# KiCad board Pixy-68000.kicad_pcb (continued)
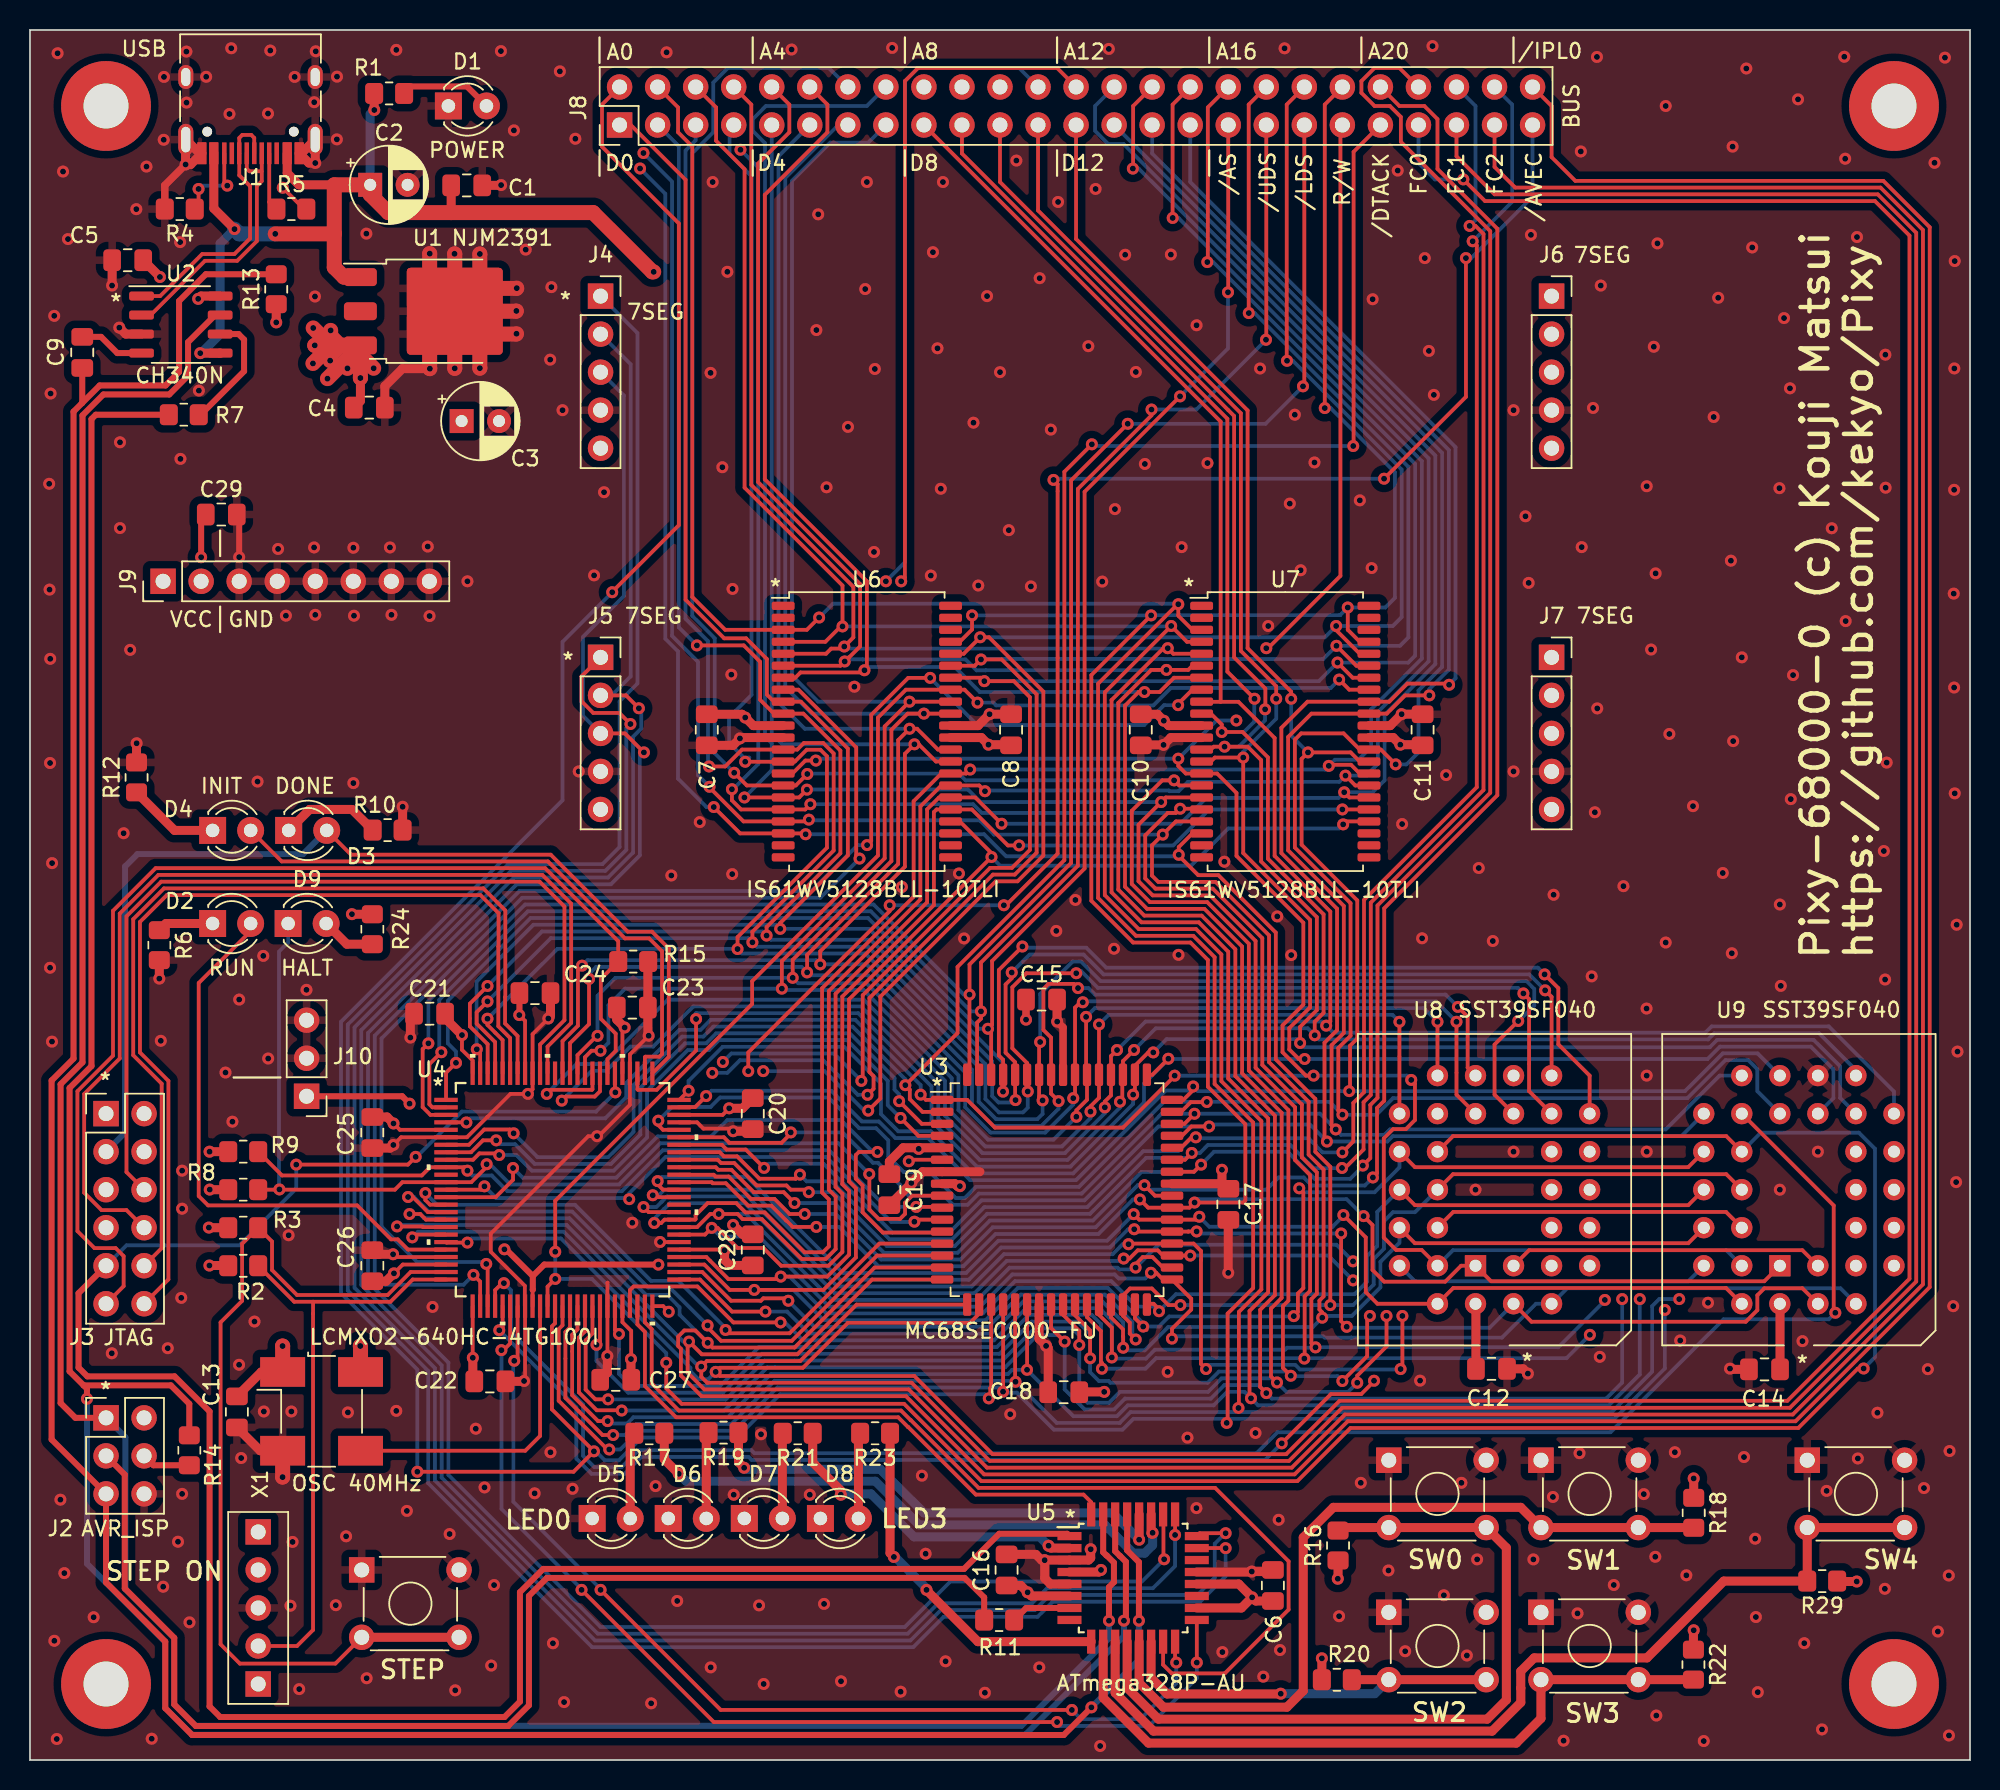
[diagram p0: board, top side]
## Routing (per net, layer and track width the routed paths; a pad name or vN(x,y) marks a point on that pad's centre or on a via; arc(x,y) is an arc through that point) (continued)
/A13: length 224.5
  Top w0.25: v1(87.75,64.65) 88.1,64.3 U7.28 ; U4.57 45.07,35.1 v1(45.52,35.55) 45.91,35.55 47.25,34.21 48.97,34.21 50.16,33.02 53.32,33.02 54.25,33.95 54.25,37.82 53.79,38.28 53.79,51.18 59.9,57.3 59.9,63.51 60.7,64.3 U6.28 63.12,64.3 v1(64.87,62.54) ; v1(76.25,28.16) 76.25,28.16 76.25,28.81 77.54,30.09 77.54,30.82 U3.33 75.65,32.1 75.2,32.55 v1(74.85,32.55)
  Bottom w0.25: v1(64.87,62.54) 76.82,62.54 78.54,64.27 87.37,64.27 v1(87.75,64.65) 89.65,64.65 90.45,65.44 90.45,69.82 93.84,73.21 93.84,87.14 73.02,107.95 72,107.95 71.12,108.83 71.12,110.49 J8.28 ; U9.4 120.88,31.52 102.64,31.52 U8.4 100.55,30.48 98.29,28.22 88.23,28.22 88.22,28.22 86.45,28.22 86.36,28.3 76.4,28.3 v1(76.25,28.16) ; v1(45.52,35.55) 46.1,34.97 48.67,34.97 53.36,30.29 63.44,30.29 65.59,32.44 72.43,32.44 72.7,32.17 74.47,32.17 v1(74.85,32.55)
/A14: length 211.8
  Top w0.25: U8.28 95.03,36.61 113.25,36.61 U9.28 ; J8.30 73.66,110.49 73.66,106.33 v1(73.64,106.31) ; v1(73.82,32.9) 73.82,33.12 74.3,33.6 74.95,33.6 75.65,32.9 U3.34 ; v1(63.77,64.72) 63.38,65.1 U6.29 60.85,65.1 59.45,63.7 59.45,57.48 53.34,51.37 53.34,38.09 53.8,37.64 53.8,34.13 53.13,33.47 51.53,33.47 48.87,36.13 47.59,36.13 47.25,36.48 v1(45.99,36.48) 45.42,36.48 44.55,35.6 U4.58 ; U7.29 88.5,65.1 v1(87.84,65.76)
  In1.Cu w0.25: v1(88.34,33.32) 89.08,34.06 92.48,34.06 U8.28
  Bottom w0.25: v1(88.34,33.32) 87.23,34.42 75.35,34.42 v1(73.82,32.9) 73.7,32.78 72.73,32.78 72.61,32.89 65.4,32.89 63.25,30.74 53.55,30.74 47.81,36.48 v1(45.99,36.48) ; v1(73.64,106.31) 74.03,106.31 93.39,86.95 93.39,73.39 90,70.01 90,66.55 89.21,65.76 v1(87.84,65.76) 87.42,65.34 77.32,65.34 76.69,64.72 76.09,64.72 76.04,64.77 63.82,64.77 v1(63.77,64.72)
/A15: length 211
  Top w0.25: U7.30 88.79,65.9 88.21,66.48 86.8,66.48 v1(86.72,66.41) ; v1(77.47,33.7) U3.35 75.65,33.7 75.3,34.05 73.97,34.05 73.42,33.5 v1(73.03,33.5) ; v1(41.69,35.88) 42.15,35.88 42.37,36.1 U4.59 44.41,36.1 44.44,36.14 44.44,36.4 45.25,37.2 47.16,37.2 47.78,36.58 49.06,36.58 51.72,33.92 52.95,33.92 53.34,34.31 53.34,37.46 52.89,37.91 52.89,51.56 59,57.67 59,64.05 60.85,65.9 U6.30 62.51,65.9 v1(62.78,66.17) ; J8.32 76.29,110.58 76.29,103.02 v1(76.3,103.01)
  In1.Cu w0.25: U8.29 89.32,33.02 v1(88.34,32.04)
  Bottom w0.25: U9.29 110.72,31.98 92.48,31.98 U8.29 ; v1(73.03,33.5) 72.87,33.34 65.22,33.34 63.06,31.19 53.73,31.19 47.72,37.2 42.73,37.2 42.36,36.83 42.35,36.83 41.69,36.17 v1(41.69,35.88) ; v1(62.78,66.17) 86.48,66.17 v1(86.72,66.41) 87.13,66.82 88.7,66.82 89.55,67.67 89.55,70.19 92.94,73.58 92.94,86.76 76.69,103.01 v1(76.3,103.01) ; v1(77.47,33.7) 86.69,33.7 v1(88.34,32.04)
/A16: length 237.1
  Top w0.25: U6.38 63.49,72.3 v1(63.72,72.07) 65.7,72.07 66.77,71 66.77,60.79 65.57,59.6 64.11,59.6 55.6,51.09 55.6,45.46 v1(55.51,45.37) ; J8.34 78.65,110.39 78.65,100.1 v1(78.61,100.06) ; v1(40.97,36.94) 41.31,36.6 U4.60 ; v1(91.52,26.12) 91.64,26.24 v1(91.64,29.67) ; U9.3 118.34,34.06 100.1,34.06 U8.3 ; v1(87.3,73.31) 88.32,72.3 U7.38 ; v1(78.53,26.12) 78.19,26.46 78.19,33.39 78.19,33.4 78.19,34 77.7,34.5 U3.36 73.39,34.5 v1(73.35,34.46)
  In1.Cu w0.25: U8.3 97.56,31.52 93.39,31.52 91.64,29.77 v1(91.64,29.67) ; v1(40.97,36.94) 40.74,37.17 40.74,37.77 40.15,38.35 40.15,43.88 42.9,46.63 46.26,46.63 v1(46.27,46.63)
  Bottom w0.25: v1(73.35,34.46) 72.96,34.46 72.29,33.79 65.03,33.79 62.88,31.64 53.92,31.64 47.9,37.65 42.55,37.65 42.18,37.28 42.16,37.28 41.82,36.94 v1(40.97,36.94) ; v1(63.72,72.07) 86.06,72.07 v1(87.3,73.31) 87.31,73.31 92.03,73.31 92.49,73.77 92.49,86.58 79,100.06 v1(78.61,100.06) ; v1(46.27,46.63) 46.83,47.19 53.69,47.19 v1(55.51,45.37) ; v1(78.53,26.12) 78.8,26.4 84.49,26.4 84.79,26.09 91.49,26.09 v1(91.52,26.12)
/A17: length 230.1
  Top w0.25: U7.39 88.57,73.1 v1(87.24,74.43) ; J8.36 81.38,110.58 81.38,96.66 v1(81.38,96.66) ; v1(77.9,35.31) 77.35,35.31 77.34,35.3 U3.37 73.89,35.3 v1(73.73,35.46) ; v1(87.92,28.94) 87.55,29.32 87.55,30.09 87.55,30.09 87.55,30.69 87.55,30.7 87.55,35.17 v1(87.55,35.18) 87.63,35.09 ; v1(55.93,44.44) 56.33,44.84 56.33,45.68 56.05,45.96 56.05,50.9 64.3,59.15 65.76,59.15 67.22,60.61 67.22,71.19 64.88,73.52 v1(63.5,73.52) 63.08,73.1 U6.39 ; v1(41.59,37.73) 41.83,37.73 41.96,37.6 U4.62 ; U8.2 100.26,29.28 114.57,29.28 115.34,30.05 115.34,31.05 115.81,31.52 118.34,31.52 U9.2
  In1.Cu w0.25: v1(45.56,45.9) 45.55,45.92 42.83,45.92 40.64,43.73 40.64,38.67 v1(41.59,37.73)
  Bottom w0.25: v1(77.9,35.31) 78.03,35.18 v1(87.55,35.18) ; v1(41.59,37.73) 41.99,37.73 42.36,38.1 48.09,38.1 54.11,32.09 62.69,32.09 64.84,34.24 72.11,34.24 73.32,35.46 v1(73.73,35.46) ; v1(55.93,44.44) 55.27,44.44 52.97,46.74 47.4,46.74 46.56,45.9 v1(45.56,45.9) ; v1(63.5,73.52) 63.54,73.56 75.66,73.56 75.67,73.55 86.35,73.55 v1(87.24,74.43) 87.24,74.43 91.48,74.43 92.04,74.99 92.04,86.39 81.77,96.66 v1(81.38,96.66) ; U8.2 97.46,28.88 87.98,28.88 v1(87.92,28.94)
/A18: length 220.3
  Top w0.25: v1(78.08,36.29) 77.88,36.1 U3.38 74.06,36.1 v1(73.7,36.47) ; U9.30 113.25,31.53 95.03,31.53 U8.30 89.97,30.48 89.19,31.26 89.19,34.91 v1(87.7,36.41) ; v1(83.93,93.47) 83.91,93.49 83.91,110.58 J8.38 ; U4.63 42.27,38.1 41.91,38.46 v1(41.91,38.67) ; U7.40 88.79,73.9 87.21,75.48 v1(87.21,75.75) ; v1(55.97,43.38) 56.78,44.19 56.78,50.99 64.49,58.7 65.94,58.7 67.66,60.42 67.66,71.37 64.04,75 v1(63.45,75) 62.35,73.9 U6.40
  In1.Cu w0.25: v1(41.91,38.67) 41.09,39.49 41.09,43.5 43.02,45.44 45,45.44 45.26,45.18 48.15,45.18 48.96,45.99 v1(48.96,46.02)
  Bottom w0.25: v1(48.96,46.02) 53.06,46.02 55.69,43.38 v1(55.97,43.38) ; v1(41.91,38.67) 42.18,38.95 47.88,38.95 54.29,32.54 62.5,32.54 64.66,34.69 71.92,34.69 v1(73.7,36.47) ; v1(87.7,36.41) 87.7,36.35 86.97,35.63 78.75,35.63 v1(78.08,36.29) ; v1(83.93,93.47) 84.32,93.47 91.59,86.2 91.59,76.35 90.99,75.75 v1(87.21,75.75) 86.46,75 63.45,75 v1(63.45,75)
/A19: length 205.6
  Top w0.25: v1(87.99,76.99) 87.99,75.5 88.79,74.7 U7.41 ; U9.1 115.8,31.98 97.56,31.98 U8.1 95.56,33.02 94.49,31.96 90.42,31.96 89.64,32.74 89.64,35.74 v1(89.05,36.33) ; v1(74.86,76.46) 70.87,72.47 70.87,57.4 73.66,54.61 77.49,54.61 78.65,53.45 78.65,44.98 81.15,42.48 81.15,37.37 81.02,37.24 v1(77.76,37.24) 77.42,36.9 U3.39 74.66,36.9 v1(74.11,37.45) ; U4.64 45.52,38.6 45.59,38.53 46.47,38.53 47.96,37.03 49.5,37.03 50.5,36.03 50.51,36.03 50.93,35.61 v1(52.5,35.61) ; v1(86.46,90.31) 86.46,110.58 J8.40 ; v1(62.9,76.46) 62.9,75.52 62.08,74.7 U6.41
  Bottom w0.25: v1(74.11,37.45) 73.65,37.45 71.34,35.14 64.47,35.14 62.32,32.99 56.65,32.99 54.02,35.61 v1(52.5,35.61) ; 62.92,76.48 v1(62.9,76.46) v1(74.86,76.46) 74.87,76.48 87.48,76.48 v1(87.99,76.99) 90.49,76.99 91.14,77.63 91.14,86.02 86.84,90.31 v1(86.46,90.31) ; v1(89.05,36.33) 87.91,37.47 77.99,37.47 v1(77.76,37.24)
/A20: length 134.3
  Top w0.25: U3.40 75.12,37.7 v1(74.41,38.4) ; v1(51.73,36.48) 50.72,36.48 49.71,37.48 48.15,37.48 46.65,38.98 45.77,38.98 45.65,39.1 U4.65 ; J8.42 91.44,110.49 93.1,110.49 93.98,109.61 93.98,106.29 97.98,102.29 97.98,64.45 90.43,56.9 90.43,44.04 89.94,43.56 89.94,39.19 v1(89.67,38.92)
  Bottom w0.25: v1(51.73,36.48) 53.8,36.48 56.84,33.44 62.13,33.44 64.28,35.59 71.16,35.59 73.97,38.4 v1(74.41,38.4) 74.72,38.1 82.55,38.1 83.37,38.92 85.05,38.92 85.59,38.38 89.13,38.38 v1(89.67,38.92)
/A21: length 138.9
  Top w0.25: v1(78.2,39.77) 77.72,39.3 U3.42 ; U4.66 45.79,39.6 45.96,39.43 46.84,39.43 48.34,37.93 50.33,37.93 v1(51.05,37.21) ; v1(89,39.71) 89.49,40.21 89.49,43.76 89.98,44.24 89.98,57.08 97.5,64.61 97.5,102.13 91.53,108.1 91.53,109.76 90.8,110.49 89.78,110.49 88.9,111.37 88.9,112.15 89.78,113.03 91.44,113.03 J8.44
  Bottom w0.25: v1(51.05,37.21) 53.7,37.21 57.03,33.89 61.94,33.89 64.1,36.04 70.97,36.04 74.22,39.29 77.71,39.29 v1(78.2,39.77) 79.06,40.63 83.97,40.63 85.78,38.83 88.15,38.83 89,39.67 v1(89,39.71)
/A22: length 129.1
  Top w0.25: U3.43 77.12,40.1 v1(77.57,40.55) ; v1(96.13,102.48) 96.52,102.48 97.05,101.94 97.05,64.8 89.53,57.27 89.53,44.42 89.04,43.94 89.04,40.78 87.81,39.55 v1(87.61,39.55) ; U4.67 45.93,40.1 46.15,39.88 47.02,39.88 48.52,38.38 50.51,38.38 50.79,38.1 51.83,38.1 v1(52,37.93)
  Bottom w0.25: J8.46 96.52,110.49 96.52,102.87 v1(96.13,102.48) ; v1(87.61,39.55) 87.6,39.54 85.7,39.54 84.16,41.08 78.65,41.08 78.12,40.55 v1(77.57,40.55) 77.25,40.23 74.52,40.23 70.79,36.49 63.91,36.49 61.76,34.34 57.21,34.34 53.61,37.93 v1(52,37.93)
/A23: length 128.6
  Top w0.25: v1(51.41,39.11) 51.14,38.83 48.71,38.83 47.21,40.33 46.33,40.33 46.06,40.6 U4.68 ; U3.44 76.86,40.9 77.56,41.6 v1(77.84,41.6) ; v1(96.33,101.45) 96.6,101.18 96.6,64.99 89.08,57.46 89.08,44.61 88.36,43.89 88.36,41.32 v1(87.63,40.59)
  Bottom w0.25: v1(87.63,40.59) 86.3,40.59 85.88,41.02 85.88,41.03 85.37,41.53 77.91,41.53 v1(77.84,41.6) 77.59,41.6 76.67,40.68 74.34,40.68 70.6,36.94 63.73,36.94 61.57,34.79 57.4,34.79 53.53,38.66 51.86,38.66 v1(51.41,39.11) ; J8.48 98.97,110.58 98.97,104.09 v1(96.33,101.45)
/CPUCLK: length 54.6
  Top w0.25: U3.6 58.78,40.1 v1(58.68,40) ; U4.34 33.56,31.41 33.57,31.41
  Top w0.4: v1(41.96,33.1) 41.95,33.1 34.34,33.1 33.57,32.33 ; v1(25.35,43.85) 24.85,44.34 J10.1 ; 33.57,32.33 31.79,34.12 v1(31.68,34.12) ; 33.57,32.33 33.57,31.42 33.57,31.41
  In1.Cu w0.4: v1(41.96,33.1) 51.77,33.1 v1(58.68,40)
  In2.Cu w0.4: v1(31.68,34.12) 31.68,35.77 25.35,42.1 v1(25.35,43.85)
/D0: length 169.6
  Top w0.25: v1(66.27,54.34) 66.26,54.34 64.69,52.77 64.69,47.07 64.98,46.78 U3.61 64.98,44.66 v1(64.97,44.65) ; J8.1 40.12,109.22 43.77,105.56 43.77,77.51 46.35,74.93 47.82,74.93 49.21,73.55 49.21,71.17 49.68,70.7 U6.9 51.48,70.7 54.61,67.57 54.61,60.43 50.09,55.91 50.09,55.53 v1(50.1,55.53) ; v1(101.13,52.48) 102.05,51.56 102.05,47.81 104.14,45.72 U8.13 ; v1(29.84,47.48) 30.06,47.25 U4.99
  Bottom w0.25: v1(66.27,54.34) 66.35,54.27 70.53,54.27 71.87,52.93 100.68,52.93 v1(101.13,52.48) ; v1(29.84,47.48) 29.82,47.49 29.82,52.01 33.62,55.8 49.82,55.8 v1(50.1,55.53) 56.03,55.53 64.97,46.59 v1(64.97,44.65)
/D1: length 165.9
  Top w0.25: v1(44.53,74.46) 47.66,74.46 48.76,73.36 48.76,70.82 49.68,69.9 U6.10 51.64,69.9 54.11,67.43 54.11,60.57 49.18,55.64 v1(49.18,55.08) ; v1(65.81,44.08) 65.78,44.11 U3.60 65.78,46.62 65.14,47.25 65.14,51.81 65.55,52.22 v1(65.55,52.61) ; v1(101.17,51.42) 101.6,50.98 U8.14 ; U4.98 30.56,47.82 29.37,49.01 29.37,50.53 30.55,51.7 v1(30.55,51.71)
  Bottom w0.25: J8.3 43.32,107.81 43.32,75.67 v1(44.53,74.46) ; v1(65.55,52.61) 66.75,53.81 70.35,53.81 71.68,52.48 100.11,52.48 101.17,51.42 v1(101.17,51.42) ; v1(65.81,44.08) 65.65,43.93 64.67,43.93 64.25,44.35 64.25,46.67 56.12,54.8 49.46,54.8 v1(49.18,55.08) 48.91,55.35 34.19,55.35 v1(30.55,51.71)
/D2: length 170.1
  Top w0.25: v1(45.34,66.37) 46.42,66.37 47.55,67.5 U6.13 51.24,67.5 51.68,67.94 52.96,67.94 53.66,67.24 53.66,60.76 48.24,55.33 v1(48.24,54.63) ; U8.15 100.1,44.68 100.1,50.83 v1(99.72,51.21) ; v1(30.55,50.68) 29.82,49.95 29.82,49.19 31.06,47.96 U4.97 ; v1(66.62,44.66) 66.62,45.73 U3.59 66.58,46.56 65.59,47.54 65.59,51.62 66.53,52.56 v1(69.86,52.56)
  Bottom w0.25: v1(66.62,44.66) 66.62,43.58 66.31,43.26 64.7,43.26 63.8,44.16 63.8,46.49 55.96,54.33 48.54,54.33 v1(48.24,54.63) 47.96,54.9 34.77,54.9 v1(30.55,50.68) ; v1(69.86,52.56) 70.02,52.72 70.17,52.72 71.31,51.58 99.35,51.58 v1(99.72,51.21) ; v1(45.34,66.37) 45.27,66.44 45.27,74.74 43.77,76.24 43.77,107.52 44.45,108.19 J8.5
/D3: length 168.1
  Top w0.25: v1(99.37,49.37) 99.36,49.37 97.79,47.79 97.79,44.45 U8.17 ; v1(67.61,44.06) 67.38,44.3 U3.58 67.38,47.9 v1(67.45,47.97) ; U4.96 31.56,48.09 30.55,49.11 v1(30.55,49.52) ; v1(47.76,66.69) 50.28,66.69 U6.14 51.07,66.7 51.86,67.49 52.78,67.49 53.21,67.05 53.21,60.94 47.25,54.97 v1(47.25,54.18)
  Bottom w0.25: v1(99.37,49.37) 99.4,49.37 100.44,50.41 100.44,51.51 99.92,52.03 71.49,52.03 70.18,53.34 69.62,53.34 67.45,51.17 v1(67.45,47.97) ; v1(47.76,66.69) 48.03,66.96 47.66,66.96 46.68,67.94 46.68,69.65 48.18,71.15 48.18,105.8 46.72,107.27 46.72,108.95 J8.7 ; v1(30.55,49.52) 35.22,54.19 47.23,54.19 v1(47.25,54.18) 47.54,53.88 55.77,53.88 63.35,46.3 63.35,43.98 64.51,42.81 67.27,42.81 67.61,43.16 v1(67.61,44.06)
/D4: length 158.7
  Top w0.25: v1(95.34,50.31) 95.99,49.66 95.99,46.25 U8.18 ; U4.88 35.56,48.03 36.59,49.05 36.59,52.79 v1(36.86,53.07) ; v1(69.98,51.57) 69.7,51.85 68,51.85 67.67,51.51 67.67,48.77 68.18,48.26 U3.57 68.18,44.52 v1(68.68,44.02) ; U6.31 60.5,66.7 59.34,67.85 v1(59.06,67.85) 58.42,67.22 58.42,59.68 52.77,54.03 v1(52.77,53.15)
  Bottom w0.25: v1(95.34,50.31) 94.52,51.13 71.12,51.13 70.69,51.57 v1(69.98,51.57) ; v1(59.06,67.85) 50.24,67.85 49.53,68.56 J8.9 ; v1(68.68,44.02) 68.68,43.51 67.54,42.36 64.32,42.36 62.9,43.79 62.9,46.12 55.86,53.15 v1(52.77,53.15) 52.49,53.43 37.23,53.43 v1(36.86,53.07)
/D5: length 157.4
  Top w0.25: v1(95.25,49.32) 95.25,44.45 U8.19 ; U4.87 36.06,47.89 37.33,49.16 v1(37.33,52.18) ; U6.32 60.62,67.5 59.23,68.89 v1(58.73,68.89) 57.97,68.13 57.97,59.86 51.89,53.78 v1(51.89,52.62) ; v1(69.66,44.21) 69.78,44.33 U3.55 69.78,50.26 70.14,50.62 v1(70.3,50.62)
  In1.Cu w0.25: 69.66,43.97 v1(69.66,44.21)
  Bottom w0.25: v1(69.66,44.21) 69.66,43.79 67.79,41.91 64.14,41.91 62.45,43.61 62.45,45.93 55.95,52.42 52.08,52.42 v1(51.89,52.62) 51.53,52.98 37.8,52.98 37.33,52.51 v1(37.33,52.18) ; v1(58.73,68.89) 51.73,68.89 49.98,70.65 49.98,107.13 J8.11 ; v1(70.3,50.62) 70.36,50.68 93.88,50.68 v1(95.25,49.32)
/D6: length 152.7
  Top w0.25: v1(70.52,49.64) 70.52,45.84 U3.54 70.58,44.11 69.87,43.4 v1(69.87,42.97) ; v1(37.9,48.38) 37.85,48.38 36.56,47.09 U4.86 ; U8.20 v1(93.98,49.32) ; U6.35 58.6,69.9 57.52,68.82 57.52,60.05 50.93,53.46 v1(50.93,52.25)
  Bottom w0.25: v1(69.87,42.97) 68.34,41.44 63.98,41.44 62,43.42 62,45.74 55.85,51.89 51.29,51.89 v1(50.93,52.25) 39.09,52.25 37.9,51.06 v1(37.9,48.38) ; v1(70.52,49.64) 71.11,50.23 93.06,50.23 v1(93.98,49.32) ; v1(59.69,69.9) 52.21,69.9 50.43,71.68 50.43,105.67 53.98,109.22 J8.13
/D7: length 152.7
  Top w0.25: v1(38.09,47.38) 37.49,47.38 37.06,46.95 U4.85 ; U8.21 v1(91.44,49.32) ; v1(50.2,51.53) 50.2,53.37 57.07,60.24 57.07,69.04 v1(58.73,70.7) U6.36 ; v1(70.81,43.32) 70.81,43.67 71.38,44.23 U3.53 v1(71.38,49.14)
  Bottom w0.25: J8.15 55.98,108.05 53.44,108.05 50.88,105.49 50.88,72.44 52.62,70.7 58.72,70.7 v1(58.73,70.7) ; v1(70.81,43.32) 70.81,42.89 68.91,40.99 63.79,40.99 61.55,43.23 61.55,45.56 55.66,51.44 50.29,51.44 v1(50.2,51.53) 39.73,51.53 38.62,50.42 38.62,47.91 v1(38.09,47.38) ; v1(91.44,49.32) 90.97,49.78 72.03,49.78 v1(71.38,49.14)
/D8: length 185.3
  Top w0.25: U7.9 78.24,70.69 79.5,70.69 ; v1(86.55,49.06) 86.82,49.33 86.82,56.68 83.11,60.4 83.11,68.27 80.69,70.69 79.5,70.69 ; U4.84 37.56,44.81 37.52,44.77 34.78,44.77 v1(34.51,44.5) ; 79.5,70.69 79.5,89.41 J8.17 ; v1(71.77,43.6) 71.77,43.99 72.18,44.4 U3.52 72.18,47.03 v1(72.58,47.43)
  Bottom w0.25: U9.13 124.46,44.66 120.11,49.01 112.28,49.01 111.87,48.59 87.02,48.59 v1(86.55,49.06) 86.28,49.33 74.49,49.33 v1(72.58,47.43) ; v1(34.51,44.5) 34.51,44.5 36.5,46.49 38.29,46.49 42.59,50.79 55.67,50.79 61.1,45.37 61.1,43.05 63.6,40.54 69.1,40.54 71.77,43.21 v1(71.77,43.6)
/D9: length 182.5
  Top w0.25: U4.83 38.06,44.67 37.71,44.32 35.78,44.32 v1(35.51,44.05) ; v1(73.72,47.43) 72.98,46.69 U3.51 72.94,45.73 72.94,44.13 v1(72.78,43.97) ; v1(85.79,48.41) 85.79,49.32 86.38,49.91 86.38,56.49 82.66,60.21 82.66,66.98 80.97,68.67 v1(79.58,68.67) 79.58,69.17 78.85,69.9 U7.10 ; J8.19 62.23,107.32 79.95,89.59 79.95,72.71 v1(81.76,70.89)
  Bottom w0.25: U9.14 121.92,46.09 119.45,48.56 112.47,48.56 112.05,48.14 86.06,48.14 v1(85.79,48.41) 85.32,48.88 75.17,48.88 v1(73.72,47.43) ; v1(72.78,43.97) 72.78,43.59 69.28,40.09 63.42,40.09 60.65,42.86 60.65,45.18 55.48,50.34 44.3,50.34 41.61,47.66 40.1,47.66 38.48,46.04 37.51,46.04 35.51,44.05 v1(35.51,44.05) ; v1(79.58,68.67) 81.05,68.67 81.75,69.36 81.75,70.88 v1(81.76,70.89)
/D10: length 176.2
  Top w0.25: U4.78 40.56,44.81 40.6,44.77 41.85,44.77 44.48,47.4 v1(44.48,49.5) ; v1(82.47,70.19) 82.49,70.21 82.49,71.57 80.4,73.66 80.4,89.78 64.77,105.41 J8.21 ; v1(75,47.27) 74.67,47.27 73.78,46.38 U3.50 73.78,44.57 v1(73.66,44.45) ; U7.13 78.85,67.5 79.04,67.69 v1(79.76,67.69) 81.31,67.69 82.21,66.79 82.21,60.02 85.93,56.31 85.93,50.09 84.81,48.98 v1(84.81,47.9)
  Bottom w0.25: v1(75,47.27) 75.89,48.16 84.55,48.16 v1(84.81,47.9) 85.09,47.61 112.16,47.61 112.65,48.11 119.1,48.11 120.87,46.34 120.87,44.23 U9.15 ; v1(82.47,70.19) 82.47,69.45 80.71,67.69 v1(79.76,67.69) ; v1(73.66,44.45) 73.66,43.83 69.47,39.64 63.23,39.64 60.2,42.67 60.2,45 55.3,49.89 44.48,49.89 44.48,49.89 v1(44.48,49.5)
/D11: length 169.9
  Top w0.25: U7.14 78.85,66.7 79.12,66.97 v1(81.01,66.97) 81.01,60.58 85.47,56.12 85.47,50.28 84.08,48.89 84.08,47.47 84.72,46.83 v1(85.11,46.83) ; U4.75 43.37,44.1 v1(43.98,44.71) ; v1(76.01,46.85) 74.94,45.78 U3.49 ; v1(83.21,70.89) 83.21,71.73 80.85,74.09 80.85,89.97 67.31,103.51 J8.23
  Bottom w0.25: v1(76.01,46.85) 76.01,46.81 74.38,45.18 74.38,43.92 69.66,39.19 62.96,39.19 60.15,42 57.98,42 56.83,43.15 56.83,45.19 54.37,47.64 46.25,47.64 43.98,45.37 v1(43.98,44.71) ; v1(76.01,46.85) 76.03,46.83 v1(85.11,46.83) 112.01,46.83 112.84,47.66 118.91,47.66 120.42,46.15 120.42,44.22 U9.17 ; v1(76.01,46.85) 76.13,46.97 ; v1(76.01,46.85) 76.07,46.79 ; v1(81.01,66.97) 81.01,67.36 83.21,69.56 v1(83.21,70.89)
/D12: length 160
  Top w0.25: v1(88.08,44.68) 88.14,44.74 88.14,47.72 88.63,48.2 88.63,57.42 84.91,61.14 84.91,66.88 v1(85.34,67.31) 88.18,67.31 88.79,66.7 U7.31 ; U3.48 77.01,44.1 77.67,44.76 v1(77.67,44.99) ; J8.25 69.85,101.61 81.3,90.15 81.3,74.27 84.21,71.36 v1(84.21,70.89) ; U4.74 43.36,43.62 44.42,43.62 v1(45.15,44.35)
  Bottom w0.25: v1(85.34,67.31) 84.21,68.43 v1(84.21,70.89) ; U9.18 115.35,47.21 113.03,47.21 110.5,44.68 v1(88.08,44.68) 77.98,44.68 v1(77.67,44.99) 77.4,44.73 75.83,44.73 69.84,38.74 62.77,38.74 59.96,41.55 57.79,41.55 56.68,42.66 55.55,42.66 53.5,44.71 45.51,44.71 v1(45.15,44.35)
/D13: length 178.5
  Top w0.25: v1(41.96,42.71) 41.96,42.41 42.27,42.1 U4.71 ; v1(87.63,43.11) 87.36,43.39 87.36,47.57 88.18,48.38 88.18,57.24 84.46,60.96 84.46,68.16 84.88,68.58 87.71,68.58 88.79,67.5 U7.32 90.2,67.5 v1(91.19,66.51) ; U3.47 76.86,43.3 77.5,43.95 78.57,43.95 v1(78.58,43.96)
  Bottom w0.25: U9.19 115.34,44.68 115.34,46.15 114.73,46.76 113.21,46.76 110.67,44.22 91.01,44.22 89.9,43.1 87.64,43.1 v1(87.63,43.11) 86.78,43.97 78.59,43.97 v1(78.58,43.96) 78.57,43.97 75.72,43.97 70.04,38.29 63.17,38.29 62.42,37.54 61.82,37.54 60.08,39.28 58.35,39.28 57.31,40.31 57.31,41.39 56.5,42.21 55.37,42.21 53.31,44.26 46.08,44.26 45.45,43.63 42.87,43.63 v1(41.96,42.71) ; J8.27 94.29,87.32 94.29,73.02 92.71,71.44 92.71,67.31 91.91,66.51 v1(91.19,66.51)
/D14: length 165.7
  Top w0.25: v1(77.76,43.17) 77.08,42.5 U3.46 ; v1(50.8,41.93) 50.8,41.85 50.18,41.23 46.7,41.23 46.33,41.6 U4.70 ; v1(87.19,42.13) 86.91,42.4 86.91,47.75 87.73,48.57 87.73,57.05 84.01,60.77 84.01,68.34 85.56,69.9 U7.35 90.6,69.9 91.82,71.12 v1(93.43,71.12)
  Bottom w0.25: v1(93.43,71.12) 93.43,71.53 94.74,72.83 94.74,87.51 74.93,107.32 J8.29 ; U9.20 112.81,45.72 109.22,42.13 90.8,42.13 90.44,41.77 87.55,41.77 v1(87.19,42.13) 86.13,43.18 77.76,43.18 v1(77.76,43.17) 75.56,43.17 70.23,37.84 63.35,37.84 62.6,37.09 61.63,37.09 61.04,37.68 58.69,37.68 58.12,38.25 58.12,38.4 56.62,39.9 56.29,39.9 54.26,41.93 v1(50.8,41.93)
/D15: length 165
  Top w0.25: U4.69 46.2,41.1 46.52,40.78 47.8,40.78 v1(49.02,39.56) ; U3.45 76.92,41.7 77.54,42.32 v1(78.73,42.32) ; v1(94.75,71.83) 94.67,71.91 91.97,71.91 90.76,70.7 U7.36 85.3,70.7 83.56,68.95 83.56,60.58 87.28,56.87 87.28,48.76 86.44,47.92 86.44,41.48 v1(86.6,41.32)
  Bottom w0.25: v1(49.02,39.56) 49.29,39.83 52.99,39.83 57.59,35.24 61.39,35.24 63.54,37.39 70.41,37.39 75.35,42.32 v1(78.73,42.32) 78.86,42.45 85.46,42.45 v1(86.6,41.32) 90.63,41.32 90.99,41.68 110.26,41.68 U9.21 ; J8.31 77.47,105.41 95.19,87.69 95.19,72.26 v1(94.75,71.83)
/DONE: length 68.9
  Top w0.25: D3.2 21.44,60.48 34.77,60.48 39.92,55.33 41.53,55.33 42.65,54.21 42.65,46.97 U4.76
  Bottom w0.4: D3.2 18.23,60.52 7.18,60.52 6.35,59.69 6.35,41.91 J3.3
/FC0: length 236
  Top w0.25: v1(29.21,34.57) 27.81,34.57 U4.20 ; v1(95.71,105.59) 97.15,104.14 123.19,104.14 125.5,101.83 125.5,32.15 117.34,24 87.44,24 83.88,20.43 64.27,20.43 59.05,25.66 46.06,25.66 v1(45.79,25.93) 46.06,26.2 51.61,26.2 54.61,29.21 62.77,29.21 63.38,29.82 U3.18
  Bottom w0.25: v1(95.71,105.59) 93.8,105.59 92.71,106.68 J8.43 ; v1(29.21,34.57) 29.48,34.84 35.46,34.84 44.1,26.2 44.1,25.98 44.64,25.44 45.3,25.44 v1(45.79,25.93)
/FC1: length 239
  Top w0.25: U4.19 25.71,35.1 v1(25.53,34.92) ; J8.45 95.25,107.13 97.79,104.59 123.38,104.59 125.95,102.02 125.95,31.96 117.51,23.53 87.61,23.53 84.07,19.98 64.09,19.98 58.86,25.21 45.22,25.21 44.82,25.6 v1(44.82,26.28) 45.2,26.65 51.42,26.65 55.19,30.42 U3.17
  Bottom w0.25: v1(25.53,34.92) 25.9,35.29 35.65,35.29 44.66,26.28 v1(44.82,26.28)
/FC2: length 241.2
  Top w0.25: U4.18 26.25,35.6 26.21,35.64 24.52,35.64 v1(24.51,35.65) ; J8.47 97.79,106.42 99.17,105.04 123.56,105.04 126.4,102.21 126.4,31.78 117.7,23.08 87.8,23.08 84.25,19.53 63.9,19.53 58.68,24.76 45.03,24.76 43.91,25.87 43.91,27.86 v1(44.01,27.96) 44.86,27.1 51.24,27.1 56.23,32.1 U3.16
  Bottom w0.25: v1(24.51,35.65) 24.61,35.74 35.83,35.74 43.62,27.96 v1(44.01,27.96)
/INITN: length 40
  Top w0.25: U4.77 41.06,46.95 41.1,46.98 42.02,46.98 42.2,47.16 42.2,54.03 41.35,54.88 39.73,54.88 34.59,60.03 16.81,60.03 D4.2
/JTAGENB: length 76.7
  Top w0.25: U4.82 38.56,46.82 39.11,47.37 39.11,48.52 38.12,49.52 38.12,52.18 R15.1 39.28,54.7 34.4,59.58 8.39,59.58 5.55,56.73 5.55,47.05 3.17,44.68 3.17,35.33 4.31,34.19 5.72,34.19 6.26,33.66 6.26,31.66 J3.11
/LED0: length 39.4
  Top w0.6: R17.1 42.35,20.08 v1(43.32,19.12) ; U5.27 74.86,15.14 74.88,15.11 74.89,15.11 v1(74.96,15.18)
  Bottom w0.6: v1(43.32,19.12) 43.82,18.62 56.44,18.62 59.36,15.71 71.77,15.71 73.66,13.82 74.43,13.82 74.96,14.35 74.96,15.09 74.92,15.14 v1(74.96,15.18)
/LED1: length 32.6
  Top w0.6: v1(47.69,19.52) 47.31,19.9 R19.1 ; v1(74.06,14.72) U5.28
  Bottom w0.6: v1(47.69,19.52) 47.79,19.42 56.78,19.42 59.69,16.51 72.27,16.51 v1(74.06,14.72)
/LED2: length 21.7
  Top w0.6: v1(68.01,14.32) 68.17,14.16 U5.2 ; v1(54.14,17.72) 54.14,18 52.26,19.88 R21.1
  Bottom w0.6: v1(54.14,17.72) 54.2,17.78 56.16,17.78 59.03,14.91 67.42,14.91 v1(68.01,14.32)
/LED3: length 24.1
  Top w0.6: v1(59.86,11.37) 59.86,11.34 63.29,7.91 U5.9 ; v1(57.69,13.57) 57.43,13.82 R23.1 57.52,21.74
  Bottom w0.6: v1(57.69,13.57) 57.76,13.57 59.86,11.46 v1(59.86,11.37)
/LEDDIO0: length 157.8
  Top w0.25: U5.23 79.83,14.16 v1(79.84,14.15)
  Bottom w0.25: J4.1 40.56,95.33 40.56,71.91 39.37,70.72 39.37,60.99 38.23,59.85 31.94,59.85 21.22,49.13 21.22,31.36 26.59,25.99 26.59,18.49 37.54,7.54 58.98,7.54 61.01,9.57 67.28,9.57 68.29,10.58 78.14,10.58 79.84,12.28 v1(79.84,14.15)
/LEDDIO1: length 134.9
  Top w0.25: U5.24 78.1,15.15 v1(79.84,15.15) ; J5.1 36.83,72.39 36.83,70.73 37.61,69.94 39.36,69.94 v1(40.09,69.21)
  Bottom w0.25: v1(79.84,15.15) 79.81,15.15 79.11,14.45 79.11,12.19 77.95,11.03 68.1,11.03 67.09,10.02 60.82,10.02 58.79,7.99 37.73,7.99 27.04,18.68 27.04,26.18 21.67,31.55 21.67,48.95 32.13,59.4 38.41,59.4 39.82,60.81 39.82,68.93 v1(40.09,69.21)
/LEDRCK: length 148.5
  Top w0.25: v1(40.99,67.31) 39.72,68.58 J5.3 ; v1(75.73,13.41) 75.68,13.46 75.68,16.39 U5.26
  Bottom w0.25: v1(40.99,67.31) 40.72,67.04 40.72,60.43 38.79,58.5 32.5,58.5 22.57,48.57 22.57,31.92 27.94,26.55 27.94,19.05 38.1,8.89 58.42,8.89 61.46,11.93 74.25,11.93 v1(75.73,13.41) ; J4.3 39.66,91.15 39.66,77.76 36.93,75.03 36.93,69.75 J5.3
/LEDSCK: length 152.9
  Top w0.25: v1(76.46,15.04) U5.25 ; J5.2 39.8,71.12 v1(40.66,70.26)
  Bottom w0.25: J4.2 40.11,93.24 40.11,72.39 38.84,71.12 J5.2 ; v1(76.46,15.04) 76.46,12.96 74.98,11.48 67.92,11.48 66.9,10.47 60.63,10.47 58.61,8.44 37.91,8.44 27.49,18.86 27.49,26.37 22.12,31.73 22.12,48.76 32.31,58.95 38.6,58.95 40.27,60.62 40.27,68.36 40.82,68.91 40.82,70.1 v1(40.66,70.26)
/MCLK: length 21.1
  Top w0.25: U4.35 34.06,21.65 33.07,20.66 X1.3
/PROGRAMN: length 145.4
  Top w0.25: U4.81 39.06,44.93 39.09,44.91 v1(39.09,44.6) ; v1(25.75,40.29) 25.24,39.77 v1(17.78,39.77)
  Top w0.4: U5.1 69.25,15.12 64.72,15.12 62.37,12.77 34.27,12.77 32.72,11.21 32.72,3.9 31.69,2.87 12.7,2.87 11.99,3.58 11.99,23.29 9.66,25.63 3.83,25.63 3.25,26.22 3.25,31.19 J3.9
  Bottom w0.25: J3.9 6.45,34.39 13.99,34.39 17.78,38.18 v1(17.78,39.77) ; v1(25.75,40.29) 25.82,40.29 28.84,43.32 37.8,43.32 v1(39.09,44.6)
/R/W: length 212.4
  Top w0.25: v1(92.23,45.43) 92.48,45.18 92.48,42.75 91.87,42.14 91.01,42.14 90.39,41.53 90.39,34.9 91.22,34.07 92.93,34.07 U8.31 ; v1(85.71,45.72) 85.2,45.72 83.63,47.28 83.63,49.08 85.03,50.47 85.03,55.93 80.56,60.4 80.56,64.6 79.26,65.9 U7.15 77.18,65.9 76.68,66.4 v1(76.68,66.89) ; v1(82.55,74.27) 82.67,74.27 87.5,79.1 87.5,109.09 J8.39 ; U4.4 29.13,42.6 v1(29.14,42.59) ; v1(59.47,44.45) 59.82,44.1 U3.1 62.58,44.1 64.43,42.25 72.98,42.25 76.43,45.7 v1(76.43,45.72) ; v1(52.48,66.77) 51.77,66.77 50.91,65.9 U6.15
  In1.Cu w0.25: v1(80.55,69.44) 80.98,69.87 80.98,72.7 v1(82.55,74.27)
  Bottom w0.25: v1(59.47,44.45) 59.47,45.08 55.11,49.44 45.45,49.44 44.78,48.78 43.36,48.78 39.81,45.22 39.81,44.27 38.41,42.87 29.42,42.87 v1(29.14,42.59) ; U9.31 113.26,34.06 95.02,34.06 U8.31 ; v1(52.48,66.77) 52.6,66.89 v1(76.68,66.89) 79.22,69.44 v1(80.55,69.44) ; v1(92.23,45.43) 91.94,45.72 v1(85.71,45.72) 85.7,45.72 v1(76.43,45.72)
/REQINT: length 39.4
  Top w0.25: U5.32 70.86,17.22 70.35,17.73 63.15,17.73 58.63,22.25 58.62,22.25 57.98,22.9 43.14,22.9 41.06,24.98 41.06,28.6 40.56,29.1 U4.48
/RUN: length 37.6
  Top w0.25: U4.21 25.24,34.1 24.56,34.78 24.11,34.78 21.84,37.05 11.89,37.05 11.27,37.68 11.27,51.91 14.74,55.38 D2.2
/RXDAVR: length 180.3
  Top w0.4: R14.1 10.64,23.8 9.41,25.03 3.58,25.03 ; v1(3.81,24.13) 3.81,24.81 3.58,25.03 ; 3.58,25.03 2.65,25.97 2.65,44.9 4.11,46.36 4.11,89.58 4.4,89.87 R7.1 ; U5.30 72.46,13.95 72.79,13.62 72.8,13.62 73.18,13.24 73.18,9.44 v1(73.05,9.31)
  Bottom w0.4: v1(3.81,24.13) 3.81,24.13 3.81,13.11 9.02,7.91 9.02,3.49 10.81,1.69 66.45,1.69 73.05,8.29 v1(73.05,9.31)
/SCK: length 4
  Top w0.4: R11.1 66.52,10.16 U5.7
/SPICLK: length 71.5
  Top w0.25: v1(36.83,11.37) 45.66,2.54 v1(68.58,2.54) ; v1(31.48,27.38) 31.62,27.38 32.06,27.82 U4.31 ; v1(77.91,6.51) U5.17
  Bottom w0.25: v1(31.48,27.38) 31.48,27.37 31.48,16.78 36.83,11.43 v1(36.83,11.37) ; v1(68.58,2.54) 68.84,2.28 74.72,2.28 77.91,5.47 v1(77.91,6.51)
/SPISI: length 68
  Top w0.25: U4.49 41.06,29.24 41.51,28.79 41.51,25.16 43.33,23.35 58.16,23.35 58.8,22.7 58.82,22.7 63.34,18.18 79.13,18.18 84.04,13.28 84.04,10.05 79.78,5.79 76.24,5.79 75.66,6.37 U5.15
/SPISO: length 67.3
  Top w0.25: U4.32 32.56,26.88 32.35,26.67 v1(32.34,26.67) ; v1(69.57,3.35) 46.12,3.35 v1(38.1,11.37) ; v1(76.54,6.51) 76.54,6.58 76.46,6.66 U5.16
  Bottom w0.25: v1(38.1,11.37) 38.1,11.43 32.28,17.25 32.28,25.01 32.27,25.02 32.27,26.6 v1(32.34,26.67) ; v1(76.54,6.51) 76.54,5.13 74.14,2.73 70.19,2.73 v1(69.57,3.35)
/TCK: length 61.4
  Top w0.25: J3.6 6.45,39.28 6.45,56.36 8.76,58.68 34.03,58.68 35.69,57.02 35.69,49.43 34.06,47.8 U4.91
/TDI: length 62
  Top w0.25: J3.10 8.8,34.19 8.8,45.18 6.9,47.08 6.9,56.17 8.95,58.23 30.27,58.23 31.74,56.76 31.74,50.98 31.72,50.97 31.72,49.2 32.56,48.37 U4.94
/TDO: length 63.2
  Top w0.25: J3.12 9.25,32.11 9.25,45.37 7.34,47.27 7.34,55.99 9.14,57.78 30.08,57.78 31.29,56.57 31.29,54.37 31.27,54.35 31.27,49.02 32.06,48.23 U4.95 32.07,45.89
/TMS: length 68.6
  Top w0.25: U4.90 34.56,47.66 36.14,49.24 36.14,57.2 34.21,59.13 8.58,59.13 6,56.55 6,46.87 3.62,44.49 3.62,37.9 4.78,36.73 6.45,36.73 J3.8
/TXDAVR: length 178.5
  Top w0.4: v1(72.05,9.31) 72.05,11.55 72.38,11.88 72.38,13.19 71.9,13.67 71.87,13.67 71.66,13.88 U5.31 ; J2.1 3.03,22.86 2.05,23.85 2.05,45.14 3.51,46.61 3.51,89.83 4.9,91.22 9.3,91.22 10.56,92.48 10.56,94.71 12.37,96.52 U2.7
  Bottom w0.4: J2.1 6.37,21.57 6.37,11.41 9.62,8.16 9.62,3.73 11.06,2.29 66.2,2.29 72.05,8.14 v1(72.05,9.31)
Net-(D1-A): length 6.2
  Top w0.4: R1.2 25.45,111.79 29.18,111.79 D1.2
Net-(D2-K): length 3.7
  Top w0.6: R6.1 9.08,55.88 D2.1
Net-(D3-K): length 6.8
  Top w0.6: R10.1 21.5,63.5 18.68,63.5 D3.1
Net-(D4-K): length 6.1
  Top w0.6: D4.1 9.66,62.1 R12.1
Net-(D5-A): length 5.8
  Top w0.6: D5.2 40.08,21.55 R17.2
Net-(D6-A): length 5.8
  Top w0.6: R19.2 45.16,21.72 D6.2
Net-(D7-A): length 5.7
  Top w0.6: D7.2 50.24,21.8 R21.2
Net-(D8-A): length 5.7
  Top w0.6: R23.2 55.32,21.72 D8.2
Net-(D9-A): length 3.7
  Top w0.6: D9.2 21.16,54.5 R24.2 22.84,54.48
Net-(J1-CC1): length 3.9
  Top w0.25: R5.1 15.98,104.08 J1.A5
Net-(J1-CC2): length 5.7
  Top w0.25: v1(11.26,104.95) 11.26,103.86 R4.1 ; v1(13.18,105.17) 12.98,105.37 J1.B5
  Bottom w0.25: v1(11.26,104.95) 11.48,105.17 v1(13.18,105.17)
Net-(J2-MOSI): length 3.3
  Top w0.4: J2.4 8.25,19.69 R14.2
Net-(J2-SCK): length 83.6
  Top w0.4: J2.3 6.33,19.07 6.33,11.47 9.64,8.16 9.64,3.71 11.08,2.27 31.94,2.27 33.32,3.66 33.32,10.96 34.52,12.17 62.41,12.17 63.71,10.86 R11.2
Net-(U2-TXD): length 8.1
  Top w0.4: R7.2 11.39,89.87 14.3,92.77 14.3,94.89 13.93,95.25 U2.6
Net-(U2-UD+): length 18
  Top w0.25: J1.A6 14.98,108.36 14.78,108.55 14.18,108.55 13.98,108.36 J1.B6 13.98,105.86 14.7,105.13 14.7,101.65 13.65,100.6 11.5,100.6 8.69,97.79 U2.1
Net-(U2-UD-): length 17.8
  Top w0.25: U2.2 8.06,96.52 11.69,100.15 13.84,100.15 15.15,101.46 15.15,105.14 15.48,105.47 J1.B7 ; 15.48,106.13 14.65,106.13 14.48,106.31 J1.A7
Net-(U2-~{RTS}): length 4.4
  Top w0.4: C9.1 4.75,95.07 5.83,93.98 U2.4

## Copper pours and planes (outline as drawn; the poured copper is in the pictures)
GND on Top: 0,115.57 0,0 129.54,0 129.54,115.57
GND on Bottom: 0,115.57 0,0 129.54,0 129.54,115.57
GND on In1.Cu: 0,115.57 0,0 129.54,0 129.54,115.57
GND on In2.Cu: 0,115.57 0,0 129.54,0 129.54,115.57
VCC on In1.Cu: 0,115.57 0,0 129.54,0 129.54,115.57

## Text on the board
F.Fab: GND | CLK
F.Silkscreen: AVR_ISP | JTAG | USB | CH340N | INIT | RUN | DONE | OSC 40MHz | LCMXO2-640HC-4TG100I | POWER | NJM2391 | 7SEG | IS61WV5128BLL-10TLI | MC68SEC000-FU | ATmega328P-AU | SST39SF040 | * | VCC | GND | HALT | D0 | A0 | D4 | A4 | D8 | A8 | D12 | A12 | A16 | A20 | /IPL0 | /AS | /UDS | /LDS | R/W | /DTACK | FC0 | FC1 | FC2 | /AVEC | BUS | STEP ON | STEP | LED0 | LED3 | SW0 | SW2 | SW3 | SW1 | SW4 | Pixy-68000-0 (c) Kouji Matsui / https://github.com/kekyo/Pixy
